# Altium PCB Fastino-DIOT.PCBDOC (part 13 of 22)
Units mm, origin at the board's own origin, x right, y up, seen from the top; angles counter-clockwise.
Board outline 222.63 x 100.1 mm, 8 copper layers (L1, L2, L3, P4, L5, L6, P7, L8), stack 1.563 mm thick; 1030 components, 787 nets, 3312 pads, 2498 vias.
Unrouted connection lines stored in the file: 424.
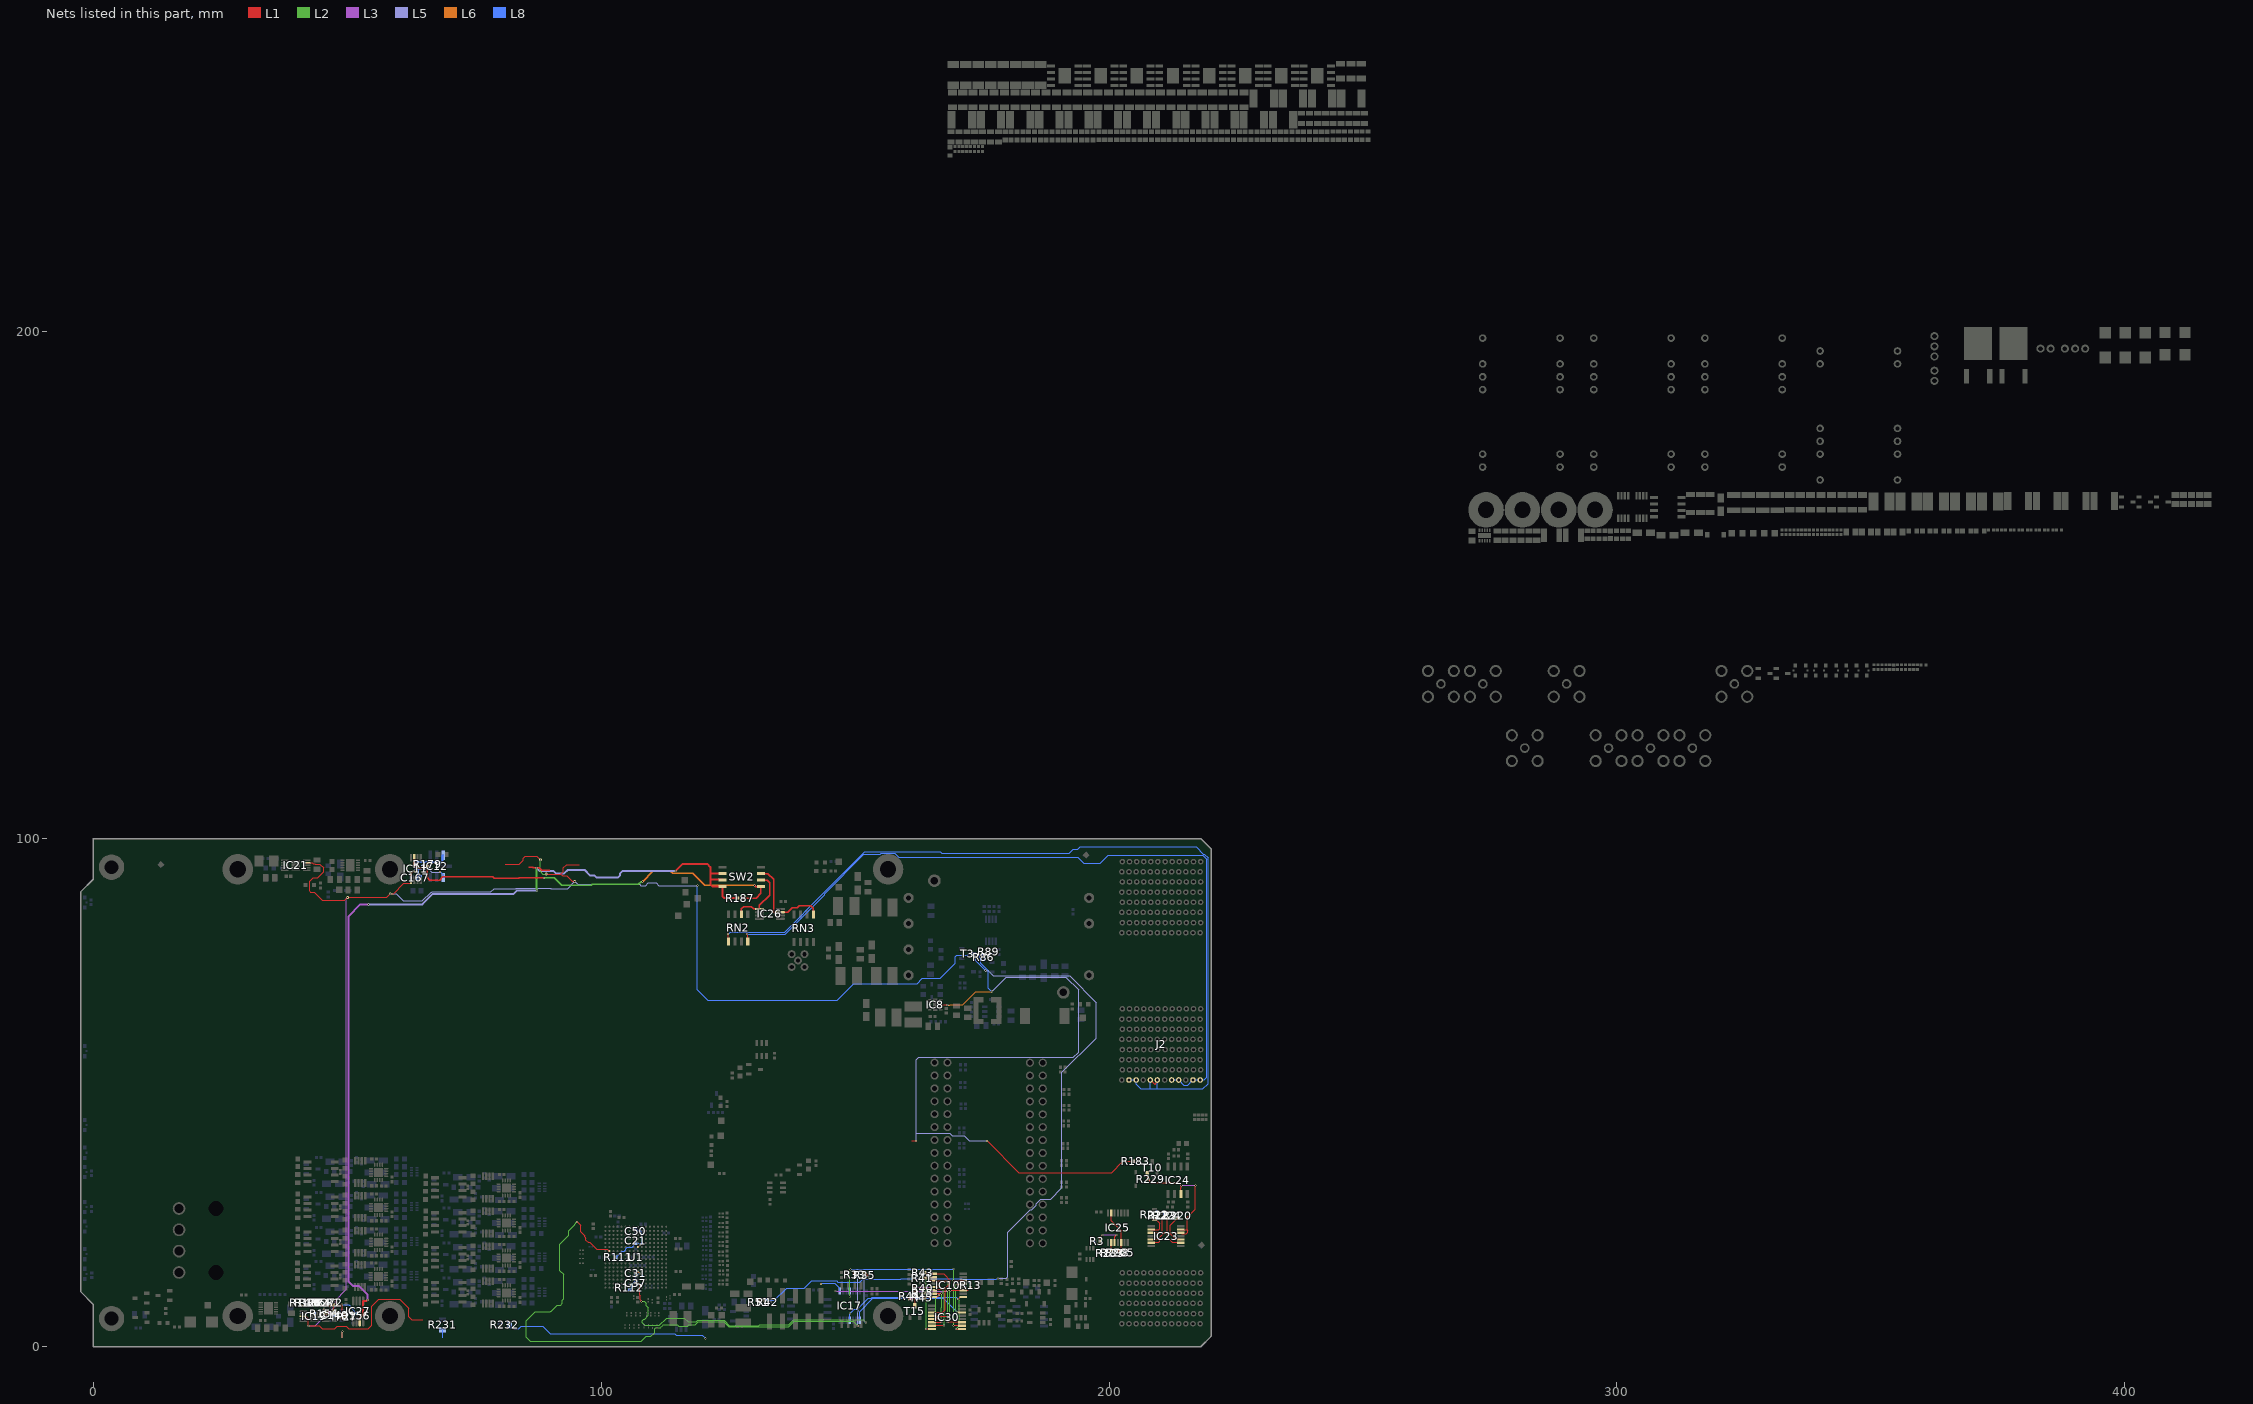
[diagram p19: the nets of this part, all layers, seen from the top]

## Via types
v1: diameter 0.4, hole 0.2, L1 to L8, tented both sides, 1919 vias
v2: diameter 0.5, hole 0.2, L1 to L8, tented both sides, 270 vias
v3: diameter 0.4, hole 0.2, L1 to L8, 170 vias
v4: diameter 0.7, hole 0.4, L1 to L8, tented both sides, 110 vias
v5: diameter 0.7, hole 0.4, L1 to L8, 29 vias

## Nets (pads, with @x,y where several pads share a name; then routed paths per layer and width w, separated by ;. In a path a pad name is that pad's centre, name@x,y a point inside that pad or via, vN(x,y) a via of type N, cw(c..) or ccw(c..) an arc to the next point about the centre after c; other vN are vias at no path point) (continued)
PGOOD: IC11.1 IC12.1 IC19.3 IC21.4 R42.1 R51.2 T3.3 | length 471.8
  L1 w0.127: IC19.3@41.758,5.969 41.869,5.969 42.049,5.789 42.118,5.789 42.316,5.591 v1(42.316,4.089) 44.501,4.089 45.085,3.505 47.505,3.505 48,4 49.755,4 50.25,3.505 54.077,3.505 54.788,4.216 54.788,7.899 56.179,9.29 58.426,9.29 58.483,9.347 60.3,9.347 62.052,7.595 62.052,5.905 62.649,5.309 64.881,5.309 ; IC21.4@42.04,95.285 43.078,95.285 43.249,95.114 43.586,95.114 43.704,94.996 44.602,94.996 45.339,94.259 45.339,93.497 44.145,92.304 43.256,92.304 42.596,91.643 42.596,89.662 42.74,89.518 43.444,89.518 45.06,87.902 49.523,87.902 v2(50.063,88.443) 57.743,88.443 v2(58.45,89.15) 59.089,89.15 61.155,91.215 62.513,91.215 IC11.1@62.586,91.288 ; IC11.1@62.515,91.872 62.575,91.932 62.575,93.284 62.724,93.434 62.86,93.434 63.076,93.65 v1(63.15,93.65) ; 81.093,95.003 83.878,95.003 84.668,95.793 84.668,96.201 84.742,96.275 85.071,96.604 87.292,96.604 v2(88.036,95.86) ; v2(89.129,93.066) 92.075,93.066 ; v2(94.793,91.618) 94.336,91.618 93.211,92.743 92.398,92.743 92.075,93.066 ; 95.631,94.937 93.185,94.937 92.499,94.251 92.499,93.489 92.075,93.066 ; R51.2@131,9.22 131.827,9.22 131.954,9.093 v2(132.055,9.093)
  L3 w0.127: v1(42.316,4.089) 43.688,4.089 47.676,8.077 47.676,9.137 49.708,11.169 49.708,49.864 49.708,88.087 v2(50.063,88.443)
  L2 w0.127: v2(88.036,95.86) 88.036,94.107 87.942,94.013 87.942,93.605 88.482,93.066 v2@89.027,93.066
  L5 w0.127: v2(58.45,89.15) 59.675,89.15 61.017,87.808 61.417,87.808 64.795,87.808 66.497,89.51 66.655,89.51 66.69,89.545 78.251,89.545 78.911,90.205 83.265,90.205 83.307,90.246 89.719,90.246 89.729,90.256 90.052,90.256 90.103,90.205 93.38,90.205 v2(94.793,91.618) 95.411,91 107.575,91 107.775,90.8 108.751,90.8 109.264,91.313 110.795,91.313 111.328,90.78 v1(118.948,90.78) ; v1(63.15,93.65) 63.15,93.724 63.327,93.901 63.327,94.037 63.402,94.111 65.989,94.111 66.65,93.45 v1(68.275,93.45) ; v1(175.656,74.034) 176.216,74.034 177.235,73.016 191.61,73.016 191.625,73 192.25,73 197.5,67.75 197.5,60.762 190.738,54 190.738,31.238 188.5,29 186.595,29 185.687,28.092 185.687,27.83 184.827,26.971 184.471,26.971 180.054,22.554 180.054,15.946 180.108,15.892 180.108,13.739 179.792,13.423 v1(178.112,13.423)
  L8 w0.127: v1(68.275,93.45) 68.327,93.398 68.419,93.398 68.864,92.954 IC12.1@68.864,92.379 ; v1(118.948,90.78) 118.948,70.302 121,68.25 146.5,68.25 149.75,71.5 162.25,71.5 163.25,72.5 166.75,72.5 169.75,75.5 169.75,76.75 170.043,77.043 172.146,77.043 v1(172.491,77.388) T3.3@173.311,77.388 173.511,77.388 173.773,77.126 173.773,75.977 175.656,74.094 v1(175.656,74.034) ; v2(132.055,9.093) 132.766,9.093 134.093,9.093 136.5,11.5 140,11.5 141.438,12.938 146.355,12.938 146.603,12.691 150.941,12.691 151.5,13.25 158.948,13.25 159.088,13.39 159.412,13.39 159.443,13.36 165.185,13.36 165.195,13.37 171.13,13.37 171.25,13.25 177.839,13.25 177.913,13.324 178.065,13.471 178.112,13.424 v1(178.112,13.423)
PWR_EN: IC8.3 R86.2 R89.2 R183.2 | length 149.2
  L1 w0.15: 161.25,40.47 161.28,40.5 v1(162,40.5) ; IC8.3@166.838,67.332 168.046,67.332 168.146,67.232 v1(168.213,67.232) ; v1(176,40.5) 182.25,34.25 200.5,34.25 202.75,36.5 R183.2@204.81,36.5
  L6 w0.15: v1(168.213,67.232) 168.215,67.233 168.638,67.233 168.713,67.308 171.22,67.308 173.802,69.891 v1(176.921,69.891)
  L5 w0.15: v1(162,40.5) 162,42 ; v1(176,40.5) 172.5,40.5 171.5,41.5 169.125,41.5 168.625,42 162,42 ; v1(176.921,69.891) 179.78,72.75 191.5,72.75 194,70.25 194,58 193,57 162.5,57 162,56.5 162,42
  L8 w0.15: R89.2@176.354,77.256 175.49,77.256 R86.2@175.361,77.128 174.751,77.128 174.436,76.813 174.436,76.638 174.766,76.309 174.766,75.493 176.234,74.024 176.234,70.577 v1(176.921,69.891)
PWR_GA0: IC23.3 R220.2 | length 6
  L1 w0.127: R220.2@213.5,25.28 213.48,25.28 213.254,25.054 213.254,25.034 212.109,23.89 212.109,22.215 213.074,21.25 213.75,21.25 IC23.3@214,21
PWR_GA1: IC23.2 R224.2 | length 6.7
  L1 w0.127: R224.2@211.5,25.25 211.5,21.5 212.5,20.5 IC23.2@214,20.5
PWR_GA2: IC23.10 R223.2 | length 4.6
  L1 w0.127: IC23.10@208.5,22.5 210.25,22.5 210.5,22.75 R223.2@210.5,25.28
PWR_GA3: IC23.9 R222.2 | length 4.1
  L1 w0.127: IC23.9@208.35,23.05 209.8,23.05 210,23.25 210,24.25 R222.2@209,25.25
REF5Vaux: IC26.1 RN2.6 SW2.2 | length 13
  L1 w0.254: RN2.6@127.584,85.148 127.584,86.182 128.041,86.639 129.565,86.639 130.013,86.192 IC26.1@131.148,86.192 131.148,86.876 133.198,88.925 133.198,91.389 132.715,91.872 SW2.2@131.46,91.872
REF5Vext: IC26.7 RN3.5 SW2.3 | length 19.1
  L1 w0.254: SW2.3@131.46,93.142 132.791,93.142 133.934,91.999 133.934,85.645 134.017,85.562 135.278,85.562 IC26.7@135.298,85.542 136.698,85.542 137.592,86.436 138.608,86.436 138.949,86.776 141.294,86.776 141.783,86.287 RN3.5@141.783,85.098
REF5Vin: IC27.3 R187.2 SW2.6 SW2.7 SW2.8 | length 184.2
  L1 w0.254: 85.758,94.417 86.486,94.417 86.637,94.267 v1(87.235,94.267) 87.833,94.267 88.333,93.767 89.908,93.767
  L1 w0.381: IC27.3@52.46,4.839 52.46,5.532 52.568,5.64 52.568,5.738 53.11,6.281 53.11,8.989 53.8,8.989 v1(53.956,9.144) ; v1(114.605,93.65) 116.027,95.072 120.853,95.072 121.514,94.412 121.514,93.193 ; SW2.7@123.86,91.872 123.776,91.956 121.514,91.956 ; SW2.6@123.86,93.142 121.564,93.142 121.514,93.193 ; R187.2@126.911,88.341 124.181,88.341 123.86,88.661 SW2.8@123.86,90.602 121.996,90.602 121.514,91.084 121.514,91.956 ; 121.514,91.956 121.514,93.193
  L3 w0.381: v1(53.956,9.144) 53.956,10.281 52.349,11.887 51.156,11.887 50.232,12.811 50.232,48.768 50.19,48.809 50.19,84.684 52.578,87.071 v1@54.102,87.071
  L2 w0.381: v1(87.235,94.267) 87.235,90.184 87.322,90.097 87.322,89.859 v1(87.325,89.856)
  L5 w0.381: v1(54.127,87.097) 64.781,87.097 66.848,89.164 82.763,89.164 83.455,89.856 v1(87.325,89.856) ; v1(87.235,94.267) 87.852,93.65 90.615,93.65 91.082,93.183 92.713,93.183 93.385,93.855 96.764,93.855 97.851,92.768 98.681,92.768 99.078,92.37 103.288,92.37 103.724,92.807 103.724,93.213 104.16,93.65 v1(114.605,93.65)
REF5Vint: C167.2 IC11.7 IC12.7 R179.2 R187.1 SW2.1 | length 90.8
  L1 w0.254: v1(63.352,94.725) 63.795,94.282 64.521,94.282 64.819,94.579 65.776,94.579 R179.2@65.85,94.505 65.7,94.355 65.7,92.434 66.262,91.872 68.159,91.872 68.773,92.486 78.637,92.486 78.92,92.202 83.769,92.202 83.872,92.306 v1(88.76,92.306) ; R187.1@127.851,88.341 130.556,88.341 131.46,89.246 SW2.1@131.46,90.602 130.417,90.602 130.213,90.805 v1(130.2,90.805)
  L1 w0.381: 63.165,94.917 IC11.7@63.165,96.272
  L2 w0.254: v1(88.76,92.306) 90.778,92.306 92.202,90.881 98.014,90.881 98.222,91.089 99.589,91.089 99.67,91.008 107.29,91.008 107.848,91.567 v1(108.128,91.567)
  L6 w0.254: v1(108.128,91.567) 110.16,93.599 113.614,93.599 114.046,93.167 117.983,93.167 120.345,90.805 v1(130.2,90.805)
  L8 w0.381: v1(63.352,94.725) 63.352,95.127 63.65,95.425 68.481,95.425 68.704,95.648 68.704,96.619 IC12.7@68.864,96.779 ; 63.355,94.495 63.943,93.907 63.943,92.547 C167.2@64.16,92.329
REF_P5V0: C140.2 IC19.9 IC19.10 R1.1 R4.1 R5.1 R6.1 R10.1 R12.1 R14.1 R154.2 R156.1 R272.1 TP27.1 | length 20
  L1 w0.203: R14.1@40.849,8.141 R14.1@40.869,8.141 R10.1@42.68,8.141 R6.1@43.566,8.141 R5.1@44.483,8.141 R1.1@47.32,8.141 ; IC19.10@45.415,6.985 45.415,7.468 v1(45.441,7.493) ; IC19.9@45.714,6.448 47.049,6.448 47.357,6.756 C140.2@47.447,6.756 ; IC19.10@45.714,6.948 47.258,6.948 C140.2@47.269,6.96 ; R1.1@47.32,8.166 R1.1@47.32,8.141 ; C140.2@47.371,7.061 47.32,7.112 R1.1@47.32,8.141 ; 48.26,8.162 48.373,8.275 v1(48.954,8.275) 48.954,6.189 TP27.1@49.225,5.918 ; 48.311,8.179 48.273,8.141 R1.1@47.32,8.141
  L8 w0.203: R154.2@45.415,6.972 45.441,6.998 v1(45.441,7.493) ; v1(48.954,8.275) 49.604,8.275 49.606,8.277 50.281,8.277 50.623,7.935 50.623,7.708 51.582,6.749 51.582,6.729 51.771,6.541 R156.1@51.791,6.541
RST: IC23.5 IC23.6 IC23.12 IC23.13 IC24.3 R229.2 T10.1 | length 34.3
  L1 w0.127: T10.1@207.55,34.1 207.55,33.25 207.78,33.02 R229.2@207.78,33 208.007,32.774 208.007,32.493 208.25,32.25 213.75,32.25 v1@214.197,31.803 ; IC23.13@208.35,20.45 208.4,20.5 209.75,20.5 210,20.75 210,21 ; IC23.12@208.35,21.1 209.9,21.1 210,21 ; v1(211,22.5) 210,21.5 210,21 ; v1(212.5,22.5) 212.574,22.5 212.674,22.4 IC23.5@214.15,22.4 214.3,22.25 215.25,22.25 215.5,22.5 215.5,22.926 215.426,23 ; IC24.3@214.135,30.05 214.135,31.251 214.197,31.313 v1@214.197,31.75 ; IC23.6@214.15,23.05 214.2,23 215.426,23 ; v1(217,31.75) 217,27 215.426,25.426 215.426,23
  L3 w0.127: v1(214.25,31.75) v1(217,31.75)
  L2 w0.127: v1(211,22.5) v1(212.5,22.5)
SC_A0: IC10.14 IC30.7 R40.1 | length 13.5
  L1 w0.127: R40.1@163.792,11.506 164.272,11.506 164.538,11.24 165.227,11.24 IC10.14@165.389,11.079 165.55,11.24 166.905,11.24 166.969,11.304 v1(167.36,11.304) ; IC30.7@165.147,4.115 165.197,4.166 v1(167.538,4.166)
  L2 w0.127: v1(167.36,11.304) 167.36,10.738 167.538,10.559 v1(167.538,4.166)
SC_A1: IC10.15 IC30.6 R15.1 | length 10.9
  L1 w0.127: R15.1@163.792,10.541 165.277,10.541 IC10.15@165.389,10.429 165.463,10.503 166.332,10.503 166.361,10.531 166.684,10.531 166.712,10.503 v1(167.042,10.503) ; IC30.6@165.147,4.765 165.208,4.826 v1(166.98,4.826)
  L2 w0.127: v1(166.98,4.826) 166.98,7.633 167.042,7.696 v1(167.042,10.503)
SC_A2: IC10.16 IC30.5 R45.1 | length 9.5
  L1 w0.127: R45.1@163.69,9.601 163.69,9.603 163.917,9.83 165.389,9.83 165.499,9.94 166.248,9.94 166.449,10.141 v1(166.522,10.141) ; IC30.5@165.147,5.415 165.193,5.461 v1(166.421,5.461)
  L2 w0.127: v1(166.421,5.461) 165.903,5.978 165.903,9.521 v1(166.522,10.141)
SC_CDONE: IC10.10 IC30.8 R41.2 | length 13.3
  L1 w0.127: R41.2@163.72,13.5 163.72,13.52 163.946,13.747 164.246,13.747 v1(164.25,13.75) 165.318,13.75 IC10.10@165.389,13.679 ; v1(164,3.5) 165.113,3.5 IC30.8@165.147,3.465
  L2 w0.127: v1(164,3.5) 164,13.448 164.25,13.698 v1(164.25,13.75)
SC_CRESET: IC10.13 R44.2 T15.3 | length 11
  L1 w0.127: R44.2@160.731,9.411 160.769,9.373 161.798,9.373 ; T15.3@161.773,8.059 161.798,8.084 161.798,9.373 ; v1(161.798,11.709) 161.798,10.661 161.789,10.652 161.789,10.328 161.798,10.319 161.798,9.373 ; IC10.13@165.389,11.729 165.395,11.735 v1(166.726,11.735)
  L3 w0.127: v1(161.798,11.709) 161.811,11.722 166.713,11.722 v1(166.726,11.735)
SC_MISO: IC10.5 IC17.8 IC30.14 | length 31.2
  L1 w0.127: v1(169.926,12.294) 171.204,12.294 IC10.5@171.289,12.379 ; v1(170.078,6.744) 171.019,6.744 IC30.14@171.047,6.715
  L2 w0.127: v1(169.926,12.294) 169.926,12.22 169.84,12.134 169.84,7.056 170.078,6.818 v1(170.078,6.744)
  L8 w0.127: IC17.8@150.896,5.152 150.896,6.896 153.496,9.496 167.326,9.496 v1(170.078,6.744)
SC_MOSI: IC10.6 IC17.4 IC30.10 | length 41.5
  L1 w0.127: v1(169.393,4.166) 170.997,4.166 IC30.10@171.047,4.115 ; v1(169.418,12.979) 171.239,12.979 IC10.6@171.289,13.029
  L2 w0.127: v1(148.946,9.881) 148.946,14.962 149.08,15.097 v1(149.08,15.171) ; v1(169.393,4.166) 169.405,4.178 169.405,12.967 v1(169.418,12.979) 169.405,12.992 169.405,15.255 v1(169.393,15.268)
  L8 w0.127: v1(148.946,9.881) IC17.4@148.946,10.952 ; v1(149.08,15.171) 149.129,15.219 169.344,15.219 v1(169.393,15.268)
SC_nINT: IC10.9 IC30.3 R43.2 | length 14.6
  L1 w0.127: R43.2@163.792,14.529 163.992,14.329 IC10.9@165.389,14.329 167.421,14.329 168.75,13 168.75,12.5 167.75,11.5 167.75,7.25 167.215,6.715 IC30.3@165.147,6.715
SC_nRST: IC10.3 IC30.4 R13.1 | length 12.8
  L1 w0.127: IC30.4@165.147,6.065 165.193,6.02 v1(168.589,6.02) ; v1(168.751,11.049) 171.259,11.049 IC10.3@171.289,11.079 172.216,11.079 172.487,11.349 172.487,11.369 172.713,11.596 R13.1@172.733,11.596
  L2 w0.127: v1(168.589,6.02) 168.589,10.814 168.751,10.975 v1(168.751,11.049)
SC_SCLK: IC10.11 IC17.1 IC30.11 | length 41.4
  L1 w0.127: IC10.11@165.389,13.029 165.489,12.929 v1(168.199,12.929) ; v1(168.224,4.851) 170.961,4.851 IC30.11@171.047,4.765
  L3 w0.127: v1(146.176,10.94) 167.171,10.94 167.198,10.913 167.574,10.913 167.601,10.94 168.066,10.94 168.15,11.024 v1(168.224,11.024)
  L2 w0.127: v1(168.199,12.929) 168.212,12.916 168.212,11.036 168.199,11.024 168.199,4.877 v1(168.224,4.851)
  L8 w0.127: v1(143.281,12.294) 143.355,12.294 143.492,12.43 146.017,12.43 146.996,11.452 IC17.1@146.996,10.952 146.983,10.94 v1(146.176,10.94)
SC_SSEL: IC10.1 IC17.11 IC30.9 | length 32.8
  L1 w0.127: v1(169.824,3.454) 171.036,3.454 IC30.9@171.047,3.465 ; v1(170.307,9.347) 170.332,9.347 170.764,9.779 IC10.1@171.289,9.779
  L2 w0.127: v1(169.824,3.454) 170.469,4.099 170.469,9.111 170.307,9.273 v1(170.307,9.347)
  L8 w0.127: IC17.11@148.946,5.152 148.971,5.177 v1(148.971,6.491) 149.87,7.391 150.39,7.391 152.565,9.565 153.206,9.565 153.391,9.75 169.904,9.75 v1(170.307,9.347)
SERVMOD_3V3: IC25.5 IC25.13 R205.1 R298.2 | length 9.2
  L1 w0.127: IC25.13@200.45,26.3 200.45,24.8 202.4,22.85 IC25.5@202.4,20.5 202.4,19.12 R205.1@202.25,18.97 202.19,18.91 R298.2@201.27,18.91
STRIP2: R231.1 | length 4
  L1 w0.127: 49,1.75 v1(49,3)
  L8 w0.127: 49,1.75 v1(49,3) ; 68.75,1.75 R231.1@68.75,3.3
STRIP3: R232.1 | length 40.3
  L1 w0.127: v1(120.574,1.6) v1@120.599,1.6
  L8 w0.127: R232.1@81.95,4.25 81.95,4.025 82.387,3.588 82.662,3.588 82.75,3.5 83.75,3.5 84.25,4 88.5,4 90,2.5 114.5,2.5 114.75,2.25 119.925,2.25 v1(120.574,1.6)
SW0: R33.1 U1.K15 | length 119.5
  L1 w0.127: v1@95.233,24.57 95.95,23.852 95.95,22.636 96.719,21.867 96.719,21.644 96.994,21.369 96.994,20.986 97.415,20.565 97.787,20.565 99.143,19.21 101.19,19.21 U1.K15@101.6,18.8 ; R33.1@149.911,14.567 149.931,14.567 150.496,14.002 150.496,13.912 v1(150.548,13.859)
  L2 w0.127: v1(95.199,24.536) 94.775,24.112 94.775,23.959 93.641,22.825 93.641,21.911 91.879,20.149 91.879,14.96 92.625,14.214 92.625,9.44 92.351,9.166 92.351,8.499 91.993,8.141 91.326,8.141 90.135,6.95 90.088,6.95 89.955,6.817 87.003,6.817 85.242,5.056 85.242,1.803 86.038,1.008 107.906,1.008 108.898,2 109.75,2 110.5,2.75 110.5,3.5 110.75,3.75 111.75,3.75 111.859,3.859 111.859,3.912 112.088,4.14 112.14,4.14 112.25,4.25 115,4.25 115.276,3.974 116.125,3.974 116.151,4 117,4 117.276,4.276 118.474,4.276 119.088,4.891 124.084,4.891 125.119,3.856 131.102,3.856 131.111,3.864 136.883,3.864 137.999,4.98 149.63,4.98 v1(150.52,4.089)
  L5 w0.127: v1(150.52,4.089) 150.505,4.105 150.505,6.703 150.64,6.838 150.64,7.162 150.505,7.297 150.505,13.817 v1(150.548,13.859)
SW1: R35.1 U1.B8 | length 67
  L1 w0.127: U1.B8@107.2,12.4 107.609,11.991 107.609,10.13 107.7,10.039 107.7,9.179 107.905,8.974 v1(107.905,8.9) ; R35.1@151.943,14.516 151.963,14.516 152.603,13.876 v1(152.603,13.859)
  L2 w0.127: v1(107.905,8.9) 108.492,8.9 108.89,8.502 108.89,8.037 109.265,7.662 109.265,6.123 108.544,5.401 108.379,5.401 108.042,5.064 108.042,4.74 108.607,4.175 111.425,4.175 112.869,5.619 116.351,5.619 117.11,4.86 118.698,4.86 118.983,5.145 124.189,5.145 125.224,4.11 130.997,4.11 131.203,4.316 136.976,4.316 137.894,5.234 151.578,5.234 v1(152.105,4.707)
  L5 w0.127: v1(152.105,4.707) 152.105,4.714 151.833,4.986 151.833,13.809 152.082,14.058 152.331,14.058 152.529,13.859 v1(152.603,13.859)
Switch_I2C.SCL: IC25.2 R233.2 | length 1.7
  L1 w0.127: R233.2@200.279,18.86 200.45,19.031 IC25.2@200.45,20.5
Switch_I2C.SDA: IC25.3 R3.2 | length 5.9
  L1 w0.127: R3.2@198.19,20.75 198.19,21.44 v1(198.75,22) ; IC25.3@201.1,20.5 201.1,21.6 v1(201.5,22)
  L3 w0.127: v1(198.75,22) v1(201.5,22)
Vaux1: J2.A1 J2.B1 J2.D1 J2.E1 RN2.4 | length 151.5
  L1 w0.127: v1(128.75,81.25) 128.75,81.176 128.854,81.072 RN2.4@128.854,79.748
  L8 w0.127: v1(128.75,81.25) 136.25,81.25 143.982,88.982 143.982,89.205 151.714,96.937 154.924,96.937 155.178,97.191 157.822,97.191 158.622,96.391 193.855,96.391 195.051,95.195 198.276,95.195 199.831,96.75 218.5,96.75 219.25,96 219.25,53 218.75,52.5 J2.A1@217.939,52.5 J2.B1@216.539,52.5 215.539,51.5 214.739,51.5 J2.D1@213.739,52.5 J2.E1@212.339,52.5
Vaux2: J2.G1 J2.H1 J2.J1 J2.K1 RN2.1 | length 171.9
  L1 w0.127: v1(125,81.25) 125,79.793 RN2.1@125.044,79.748 ; J2.H1@208.139,52.5 208.989,51.65 209.095,51.65 209.169,51.724 209.169,51.867 209.539,52.237 J2.G1@209.539,52.5
  L8 w0.127: v1(125,81.25) 125.39,81.64 136.14,81.64 143.728,89.228 143.728,89.31 151.863,97.445 166.739,97.445 167.078,97.106 192.156,97.106 192.993,97.942 193.301,97.942 193.335,97.908 193.659,97.908 193.694,97.942 193.859,97.942 194.321,98.404 217.205,98.404 218.609,97 218.75,97 219.5,96.25 219.5,96.109 219.504,96.105 219.504,52.895 219.5,52.891 219.5,51.75 218.5,50.75 209.525,50.75 ; J2.K1@203.939,52.5 J2.J1@205.339,52.5 205.339,51.661 206.25,50.75 208.128,50.75 ; J2.H1@208.139,52.5 208.139,50.761 208.128,50.75 ; J2.G1@209.539,52.5 209.539,50.764 209.525,50.75 ; 208.128,50.75 209.525,50.75
VCCPLL0: C21.2 C50.2 R111.2 U1.L8 | length 10.3
  L1 w0.127: U1.L8@107.2,19.6 v1(107.6,20)
  L8 w0.127: R111.2@102.93,17.6 102.93,17.62 104.101,18.791 104.543,18.791 104.856,19.104 104.856,19.277 105.17,19.591 106.147,19.591 106.396,19.839 106.396,19.946 106.65,20.2 C21.2@106.7,20.2 ; C21.2@106.8,20.35 106.824,20.326 107.374,20.326 107.501,20.199 ; C50.2@106.8,23.2 107.092,22.908 107.298,22.908 107.435,22.771 107.705,22.771 107.966,22.511 107.966,21.786 107.991,21.762 107.991,20.391 v1@107.7,20.1
VCCPLL1: C31.2 C37.2 R112.1 U1.E8 | length 4.9
  L1 w0.127: U1.E8@107.221,14.8 107.221,14.779 107.552,14.448 v1@107.573,14.448
  L8 w0.127: R112.1@105.537,11.136 105.557,11.136 106.114,11.693 106.114,12.338 106.444,12.668 106.508,12.668 C37.2@106.8,12.96 C31.2@106.8,13.95 107.046,14.196 107.323,14.196 107.526,14.4 v1(107.6,14.4)
pads on no net: D5.5 D15.2 D16.2 FTG1.FTG2 FTG2.1 FTG3.1 FTG4.1 FTG5.1 FTG6.1 IC1_1.1 IC1_1.5 IC1_1.8 IC1_2.1 IC1_2.5 IC1_2.8 IC1_3.1 IC1_3.5 IC1_3.8 IC1_4.1 IC1_4.5 IC1_4.8 IC1_5.1 IC1_5.5 IC1_5.8 IC1_6.1 IC1_6.5 IC1_6.8 IC1_7.1 IC1_7.5 IC1_7.8 IC1_8.1 IC1_8.5 IC1_8.8 IC3.8 IC4.7 IC9.5 IC15.1 IC15.2 IC15.3 IC15.7 IC16.1 IC16.2 IC16.3 IC16.7 IC19.4 IC20.4 IC27.5 IC27.6 IC27.7 IC28.4 IC31.4 IC32.5 IC35.4 IC35.7 IC37_1.7 IC37_1.13 IC37_1.16 IC37_2.7 IC37_2.13 IC37_2.16 IC37_3.7 IC37_3.13 IC37_3.16 IC37_4.7 IC37_4.13 IC37_4.16 IC37_5.7 IC37_5.13 IC37_5.16 IC37_6.7 IC37_6.13 IC37_6.16 IC37_7.7 IC37_7.13 IC37_7.16 IC37_8.7 IC37_8.13 IC37_8.16 J1.MECH1 J1.MECH2 J2.A5 J2.A7 J2.B2 J2.B4 J2.B5 J2.B6 J2.B7 J2.B8 J2.C2 J2.C4 J2.C6 J2.C8 J2.D3 J2.D5 J2.D7 J2.E2 J2.E3 J2.E4 J2.E5 J2.E6 J2.E7 J2.E8 J2.F2 J2.F4 J2.F6 J2.F8 J2.G3 J2.G5 J2.G7 J2.H2 J2.H3 J2.H4 J2.H5 J2.H6 J2.H7 J2.H8 J2.I2 J2.I4 J2.I6 J2.I8 J2.J3 J2.J5 J2.J7 J2.K2 J2.K3 J2.K4 J2.K5 J2.K6 J2.K7 J2.K8 J2.L2 J2.L4 J2.L6 J2.L8 J8.A5 J8.B1 J8.B5 J8.D5 J8.E4 J8.E5 J8.F4 J8.G3 J8.H3 J8.I2 J8.J3 J8.K3 J8.L2 J9.A3 J9.A5 J9.A7 J9.A8 J9.B2 J9.B3 J9.B4 J9.B5 J9.B6 J9.B7 J9.B8 J9.C2 J9.C4 J9.C6 J9.C8 J9.D3 J9.D5 J9.D7 J9.D8 J9.E2 J9.E3 J9.E4 J9.E5 J9.E6 J9.E7 J9.E8 J9.F2 J9.F4 J9.F6 J9.F8 J9.G3 J9.G5 J9.G7 J9.H2 J9.H3 J9.H4 J9.H5 J9.H6 J9.H7 J9.H8 J9.I2 J9.I4 J9.I6 J9.I8 J9.J3 J9.J5 J9.J7 J9.K2 J9.K3 J9.K4 J9.K5 J9.K6 J9.K7 J9.K8 J9.L2 J9.L4 J9.L6 J9.L8 JP1.7 JP1.8 LD1.3 LD2.3 LD3.3 LD7.3 LD9.3 LD12.3 LD15.3 LD16.3 LD17.3 LD18.3 LD19.3 LD20.3 LD21.3 LD22.3 LD23.3 LD24.3 LD25.3 SW2.4 SW2.5 U1.A9 U1.C13 U1.D12 U1.D14 U1.E14 U1.F3 U1.G3 U1.H6 U1.J12 U1.P9
copper on no net: | length 16980.5